# Altium PCB PCB.PcbDoc (part 1 of 3) (continued)
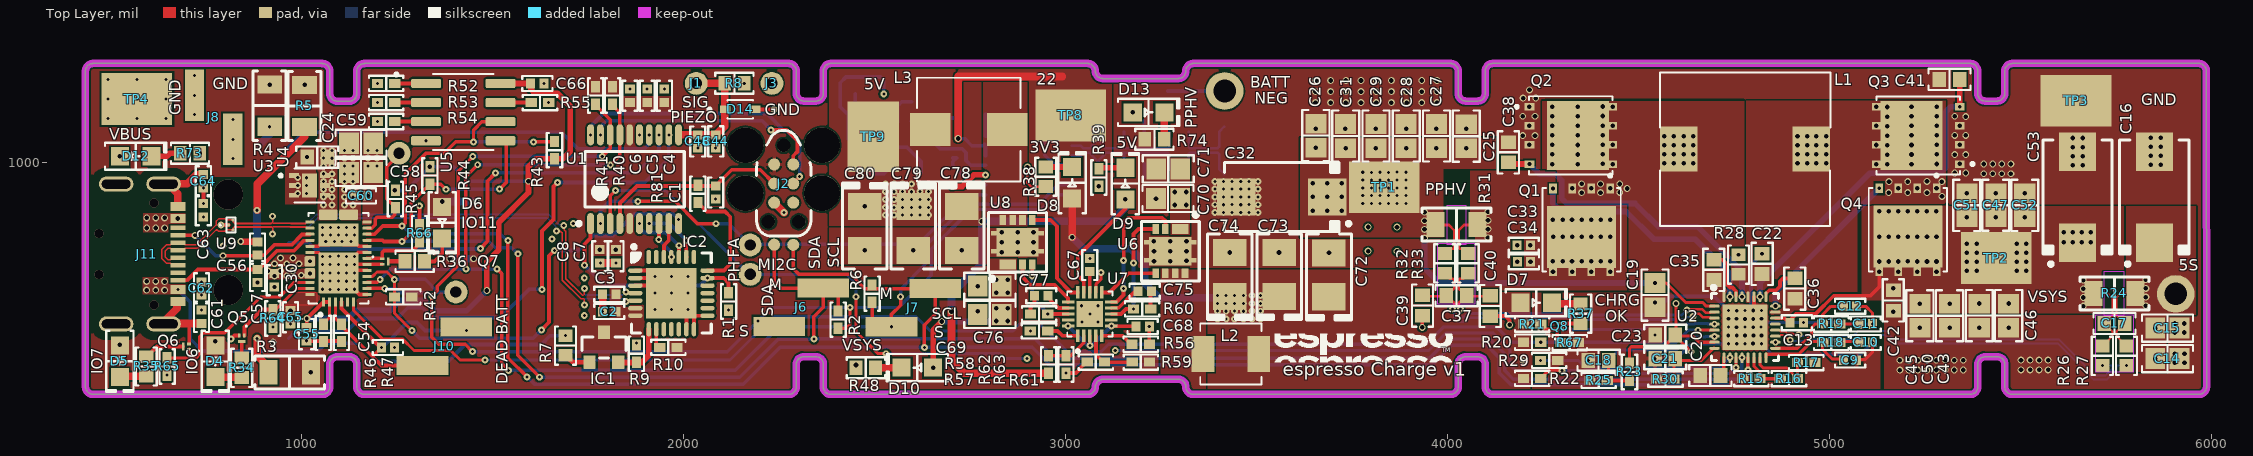
[diagram p0: Top Layer view]
## Components (designator, comment, footprint, x,y, rotation, side; value= is the part's Value field where it differs from the comment) (continued)
C67 "4.7 µF" "CAP 0402_1005" 3063.98,732.74 r270 top
C68 "4.7 µF" "CAP 0402_1005" 3202.26,571.83 r180 top
C69 "0.1 µF" "CAP 0402_1005" 2936.92,651.94 r180 top
C70 "22 µF" "CAP 0805_2012" 3268.7,906.5 r0 top
C71 "22 µF" "CAP 0805_2012" 3269.19,984.25 r0 top
C72 "100 µF" "CAP POL 1411_3528" 3689.88,707 r90 top
C73 "100 µF" "CAP POL 1411_3528" 3559.21,707.91 r90 top
C74 "100 µF" "CAP POL 1411_3528" 3430,707.91 r90 top
C75 "0.1 µF" "CAP 0402_1005" 3207.5,664.18 r0 top
C76 "22 µF" "CAP 0805_2012" 2802.24,603.35 r0 top
C77 "22 µF" "CAP 0805_2012" 2802.24,677.17 r0 top
C78 "100 µF" "CAP POL 1411_3528" 2729.33,828.51 r270 top
C79 "100 µF" "CAP POL 1411_3528" 2602.36,828.51 r270 top
C80 "100 µF" "CAP POL 1411_3528" 2475.39,828.51 r270 top
C81 "0.1 µF" "CAP 0603_1608" 3085,1032.23 r270 bottom
C82 "0.1 µF" "CAP 0402_1005" 2702,1063.72 r0 bottom
C83 "0.1 µF" "CAP 0603_1608" 3180,997.93 r180 bottom
C84 "0.1 µF" "CAP 0603_1608" 3180,1067.23 r180 bottom
C85 "3300 pF" "CAP 0402_1005" 2715,1134.38 r270 bottom
D1 "White" "LED 0805_2012" 926.06,540.87 r0 bottom
D2 "White" "LED 0805_2012" 926.06,1041.85 r0 bottom
D3 "White" "LED 0805_2012" 926.06,790.87 r0 bottom
D4 "White" "LED 0805_2012" 775.2,480.31 r270 top
D5 "White" "LED 0805_2012" 525.55,480.82 r270 top
D6 "White" "LED 0805_2012" 1369,843 r270 top
D7 "White" "LED 0805_2012" 4232.39,633.91 r0 top
D8 "White" "LED 0805_2012" 3017.72,947.83 r90 top
D9 "White" "LED 0805_2012" 3156.96,945.81 r90 top
D10 "White" "LED 0805_2012" 2612.69,464 r180 top
D12 "White" "LED 0805_2012" 566.89,1017.25 r0 top
D13 "White" "LED 0805_2012" 3217.73,1132.16 r0 top
D14 "BZT52B3V3S_R9" DIO_BZT52B3V3S_R9 2149,1140 r0 top
IC1 "DMN67D8L-7" "DIODES SOT-23-3" 1792.43,517.13 r90 top
IC2 "CP2102N-A02-GQFN28R" "SILICON LABS QFN-28 5x5MM" 1968.88,659.13 r0 top
J1 "Large Board Solder Point" "LARGE SOLDER POINT" 2034,1208 r0 top
J2 "ICD connector" TC2030-MCP 2262.8,945.76 r270 top
J3 "Large Board Solder Point" "LARGE SOLDER POINT" 2231.99,1208 r0 top
J6 "TSM-102-01-L-SV" TSM-102-01-L-SV 2309,622 r270 top
J7 "TSM-102-01-L-SV" TSM-102-01-L-SV 2602.36,621 r270 top
J8 "TSM-102-01-L-SV" TSM-102-01-L-SV 771,1119.09 r180 top
J10 "TSM-102-01-L-SV" TSM-102-01-L-SV 1375,520 r90 top
J11 "C2982481" GT-USB-7079A 614.2,761.45 r270 top
L1 "4.7uH" BMQADY1010404R7MA1 4779,1036 r0 top
L2 "74437324022" IND_74437324022 3433,500 r0 top value=2.2µH
L3 "744314330" IND_744314330 2747.05,1086.97 r180 top value=3.3µH
LP1 "LIGHT PIPE" "Dialight 515-1069F" 809.06,667.32 r270 bottom locked
Q1 "AONS36306" "DFN 5x6" 4351.18,824.61 r270 top
Q2 "AONS36306" "DFN 5x6" 4323.03,1071.85 r0 top
Q3 "AONS36306" "DFN 5x6" 5232.48,1071.8 r180 top
Q4 "AONS36306" "DFN 5x6" 5204.92,824.95 r270 top
Q5 "CSD15380F3T" TRXDFN69X60X35-3N 844.49,541.34 r270 top
Q6 "CSD15380F3T" TRXDFN69X60X35-3N 700,519 r180 top
Q7 "CSD15380F3T" TRXDFN69X60X35-3N 1219,742 r0 top
Q8 "CSD15380F3T" TRXDFN69X60X35-3N 4294.29,570.87 r90 top
Q9 "BSS84" SOT95P240X120-3N 2487.4,1136.69 r0 bottom
Q10 "2N7002" SOT95P240X111-3N 2663.6,975 r180 bottom
R1 "10 kOhms" "RES 0402_1005" 2118.61,637.05 r270 top
R2 "0 Ohms" "RES 0402_1005" 2405.18,589.74 r90 top
R3 "22 Ohms" "RES 1206_3216" 970.08,451.77 r0 top
R4 "22 Ohms" "RES 1206_3216" 917.58,1149.55 r90 top
R5 "22 Ohms" "RES 1206_3216" 1008.94,1149 r90 top
R6 "0 Ohms" "RES 0402_1005" 2494.38,657.6 r90 top
R7 "100 kOhms" "RES 0603_1608" 1691.81,521.81 r90 top
R8 "5 MOhms" "RES 0603_1608" 2134,1208.16 r180 top
R9 "2.2 kOhms" "RES 0402_1005" 1877.08,500.52 r270 top
R10 "1 kOhms" "RES 0402_1005" 1960.88,517.13 r180 top
R13 "10 mOhms" "RES 1210_3225" 3415.82,1032.85 r90 bottom
R14 "100 Ohms" "RES 0603_1608" 3297,997.93 r0 bottom
R15 "300 kOhms" "RES 0402_1005" 4795.28,435.04 r0 top
R16 "2 MOhms" "RES 0402_1005" 4893.7,435.04 r0 top
R17 "10 kOhms" "RES 0402_1005" 4938.98,477.35 r180 top
R18 "40.2 kOhms" "RES 0402_1005" 5004.53,530.1 r180 top
R19 "15 kOhms" "RES 0402_1005" 5004.33,578.28 r180 top
R20 "10 kOhms" "RES 0402_1005" 4221.46,530.51 r180 top
R21 "10 kOhms" "RES 0402_1005" 4221.46,577.76 r180 top
R22 "10 kOhms" "RES 0402_1005" 4221.46,436.02 r180 top
R23 "383 kOhms" "RES 0402_1005" 4476.38,452.76 r90 top
R24 "5 mOhms" "RES 1206_3216" 5745.57,658.46 r0 top
R25 "220 kOhms" "RES 0402_1005" 4395.76,430.45 r0 top
R26 "10 Ohms" "RES 0603_1608" 5714.07,495.08 r90 top
R27 "10 Ohms" "RES 0603_1608" 5777.06,495.08 r90 top
R28 "10 Ohms" "RES 0603_1608" 4761.87,733.83 r90 top
R29 "30.1 kOhms" "RES 0402_1005" 4266.18,483.27 r180 top
R30 "191 kOhms" "RES 0402_1005" 4570.46,434.13 r0 top
R31 "5 mOhms" "RES 1206_3216" 4023.62,838.3 r0 top
R32 "4.99 Ohms" "RES 0603_1608" 3993.11,736.92 r90 top
R33 "4.99 Ohms" "RES 0603_1608" 4054.13,736.92 r90 top
R34 "10 kOhms" "RES 0603_1608" 844.09,463.58 r270 top
R35 "10 kOhms" "RES 0603_1608" 594.45,467.07 r270 top
R36 "10 kOhms" "RES 0603_1608" 1297,742.13 r0 top
R37 "10 kOhms" "RES 0603_1608" 4348.43,605.32 r90 top
R38 "10 kOhms" "RES 0603_1608" 2948.82,963.58 r90 top
R39 "15 kOhms" "RES 0402_1005" 3087.6,961.61 r90 top
R40 "2.2 kOhms" "RES 0402_1005" 1814.96,1176.18 r90 top
R41 "2.2 kOhms" "RES 0402_1005" 1770.67,1176.18 r90 top
R42 "10 kOhms" "RES 0402_1005" 1267.02,649.17 r0 top
R43 "2.2 kOhms" "RES 0402_1005" 1663,1033.21 r270 top
R44 "2.2 kOhms" "RES 0402_1005" 1337,967 r90 top
R45 "10 kOhms" "RES 0402_1005" 1246.28,905.36 r90 top
R46 "100 kOhms" "RES 0402_1005" 1058,555 r90 top
R47 "100 kOhms" "RES 0402_1005" 1105.31,555 r90 top
R48 "22.1 kOhms" "RES 0603_1608" 2477.69,464 r0 top
R50 "100 Ohms" "RES 0603_1608" 3297,1067.23 r0 bottom
R52 "10 kOhms" "RES 0402_1005" 1222.44,1207.87 r180 top
R53 "10 kOhms" "RES 0402_1005" 1222.44,1157.48 r180 top
R54 "10 kOhms" "RES 0402_1005" 1222.44,1108.27 r180 top
R55 "10 kOhms" "RES 0402_1005" 1625,1157.48 r0 top
R56 "47.5 kOhms" "RES 0402_1005" 3197.26,525.27 r180 top
R57 "51.1 kOhms" "RES 0402_1005" 2931,560.31 r0 top
R58 "2.2 Ohms" "RES 0402_1005" 2931.3,604.88 r180 top
R59 "6.49 kOhms" "RES 0402_1005" 3197.49,478.22 r0 top
R60 "2.2 Ohms" "RES 0402_1005" 3201,617.83 r0 top
R61 "10 kOhms" "RES 0402_1005" 3079.72,478.22 r180 top
R62 "15.4 kOhms" "RES 0402_1005" 2956.09,472.37 r270 top
R63 "10 kOhms" "RES 0402_1005" 3001.09,472.36 r270 top
R64 "100 kOhms" "RES 0402_1005" 926,592.74 r90 top
R65 "100 kOhms" "RES 0402_1005" 649,467.07 r90 top
R66 "100 kOhms" "RES 0402_1005" 1310,815.94 r270 top
R67 "100 kOhms" "RES 0402_1005" 4320,529.7 r180 top
R73 "60.4 kOhms" "RES 0603_1608" 709,1025.13 r180 top
R74 "60.4 kOhms" "RES 0603_1608" 3233.15,1062 r0 top
R75 "100 kOhms" "RES 0402_1005" 2528,994.16 r0 bottom
R76 "165 kOhms" "RES 0402_1005" 2528,1040.84 r180 bottom
R77 "374 kOhms" "RES 0402_1005" 2597,1134.38 r90 bottom
R78 "16.5 kOhms" "RES 0603_1608" 2661,1134.38 r270 bottom
R79 "0 Ohms" "RES 0805_2012" 2911.54,1149 r0 bottom
R81 "100 Ohms" "RES 0402_1005" 2038,919 r90 top
TP1 "5016" KEYSTONE_5016 3834.45,935.83 r180 top
TP2 "5016" KEYSTONE_5016 5436.02,750.98 r0 top
TP3 "5016" KEYSTONE_5016 5645,1163 r180 top
TP4 "5016" KEYSTONE_5016 570,1167 r0 top
TP8 "5016" KEYSTONE_5016 3014,1124 r180 top
TP9 "5016" KEYSTONE_5016 2497.05,1068.6 r270 top
U1 "STM32F030F4P6" TSOP65P640X120-20N 1872.63,957.14 r90 top
U2 "BQ25731RSNR" QFN40P400X400X80_HS-33N 4778.54,569.88 r0 top
U3 "TPS25750DRJKR" IC_TPS25750DRJKR 1097.63,750.17 r90 top
U4 "TVS2200DRVR" SON65P200X200X80-7N 1021.65,940.95 r0 top
U5 "CAT24C256WI-G" SOIC127P600X175-8N 1424.21,1132.87 r0 top
U6 "CSD87330Q3D" Q3D 3274.61,769.06 r90 top
U7 "TPS51225RUKR" QFN40P300X300X80-21N 3063.98,604.33 r90 top
U8 "CSD87330Q3D" Q3D 2874.91,792.32 r270 top
U9 "ESD122DMXR" IC_ESD122DMXR 816,837.19 r0 top
U10 "BQ34Z100PW-G1" SOP65P640X120-14N 2904.18,993.67 r0 bottom

## Footprints (in the part's own frame and the unit in brackets; to place one, negate y for a bottom-side part, rotate by r counter-clockwise, add the part's x,y. Pads: shape width x height; smd on the part's side, far side on the other; paste and mask are expansions set on the pad)
BMQADY1010404R7MA1 [mm]
  rect 2.5x3 smd: 1(-4.4,0) 2(4.4,0)
  silkscreen extent -5.65,-5.1 5.68,5.1, body extent -5.65,-5.1 5.65,5.1, height 3.8
"CAP 0402_1005" [mm] "Chip Capacitor, 2-Leads, Body 1.02x0.51mm, IPC Medium Density"
  rect 0.6x0.64 smd: 1(-0.44,0) 2(0.44,0)
  silkscreen extent -1,-0.5 1,0.5, body extent -0.5,-0.26 0.5,0.26, height 0.52
"CAP 0603_1608" [mm] "Chip Capacitor, 2-Leads, Body 1.60x0.80mm, IPC Medium Density"
  rect 0.9x1 smd: 1(-0.675,0) 2(0.675,0)
  silkscreen extent -1.4,-0.7 1.4,0.7, body extent -0.8,-0.41 0.8,0.41, height 0.82
"CAP 0805_2012" [mm] "Chip Capacitor, 2-Leads, Body 2.00x1.20mm, IPC Medium Density"
  rect 1.3x1.4 smd: 1(-0.8,0) 2(0.8,0)
  silkscreen extent -1.7,-0.9 1.7,0.9, body extent -1,-0.64 1,0.64, height 1.26
"CAP POL 1411_3528" [mm] "Molded Capacitor, 2-Leads, Body 3.50x2.80mm, IPC Medium Density"
  rect 1.8x2.23 smd: 1(-1.46,0) 2(1.46,0)
  silkscreen extent -3,-1.5 2.71,1.48, body extent -1.87,-1.45 1.86,1.45, height 2
"CAP POL 2917_7343" [mm] "Molded Capacitor, 2-Leads, Body 7.30x4.30mm, IPC Medium Density"
  rect 2.55x2.45 smd: 1(-3.025,0) 2(3.025,0)
  silkscreen extent -4.57,-2.3 3.8,2.3, body extent -3.65,-2.15 3.65,2.15, height 4.1
"DFN 5x6" [mm]
  rect 4.12x4.6 smd paste-3: D(0.46,0)
  rect 0.55x0.5 smd: D(2.795,1.905) D(2.795,-0.635) D(2.795,0.635) D(2.795,-1.905)
  rect 0.65x0.5 smd: G(-2.755,-1.905) S(-2.755,1.905) S(-2.755,-0.635) S(-2.755,0.635)
  silkscreen extent -3.7,-2.6 2.78,2.6, body extent -3.02,-2.75 3.03,2.75, height 0.95
"Dialight 515-1069F" [mil]
  silkscreen extent -445,-172 195,344
DIO_BZT52B3V3S_R9 [mm]
  rect 0.7x0.5 smd: A(1,0) C(-1,0)
  silkscreen extent -2.15,-0.63 0.85,0.63, body extent -1.25,-0.63 1.25,0.63, height 1.1
"DIODES SOT-23-3" [mm] "SOT23, 3-Leads, Body 2.90x2.40mm, Pitch 0.95mm, IPC Medium Density"
  rect 0.9x0.8 smd: 1(-1,0.95) 2(-1,-0.95) 3(1,0)
  silkscreen extent -0.7,-1.45 0.7,1.45, body extent -1.41,-1.45 1.41,1.45, height 1.5
GT-USB-7079A [mm]
  rrect100% 1x2.3 hole 1.9 slot 0.6 at 0 deg: 13(-4.65,0.65) 13(4.65,0.65) 14(-4.65,-2.5) 14(4.65,-2.5)
  rect 0.6x1 smd: A1(-3.16,1.6) A4(-2.36,1.6) A9(2.36,1.6) A12(3.16,1.6)
  rect 0.3x1 smd: A5(-1.25,1.6) A6(-0.75,1.6) A7(0.25,1.6) A8(1.25,1.6) B5(1.75,1.6) B6(0.75,1.6) B7(-0.25,1.6) B8(-1.75,1.6)
  body extent -5,-6 5,2.65, height 3.7
IC_ESD122DMXR [mm]
  rrect50% 0.2x0.2 smd mask+0: 1(-0.15,0) 2(0.15,-0.34) 3(0.15,0.34)
  silkscreen extent -0.75,-0.5 0.3,0.5, body extent -0.5,-0.3 0.5,0.3, height 0.4
IC_TPS25750DRJKR [mm]
  rrect40% 0.6x0.2 smd mask+0: 1(-2.9,1) 2(-2.9,0.6) 3(-2.9,0.2) 4(-2.9,-0.2) 5(-2.9,-0.6) 6(-2.9,-1)
  rrect40% 0.2x0.6 smd mask+0: 7(-2.4,-1.9) 8(-2,-1.9) 9(-1.6,-1.9) 10(-1.2,-1.9) 11(-0.8,-1.9) 12(-0.4,-1.9) 13(0,-1.9) 14(0.4,-1.9) 15(0.8,-1.9) 16(1.2,-1.9) 17(1.6,-1.9) 18(2,-1.9) 19(2.4,-1.9) 26(2.4,1.9) 27(2,1.9) 28(1.6,1.9) 29(1.2,1.9) 30(0.8,1.9) 31(0.4,1.9) 36(-1.6,1.9) 37(-2,1.9) 38(-2.4,1.9)
  rrect25% 0.7x1.253 smd paste-2 mask+0: 20_22(2.9,-0.677) 23_25(2.9,0.677)
  rrect25% 0.7x0.7 smd paste-1 mask+0: 32_33(-0.2,1.9) 34_35(-1,1.9)
  round 0.4 hole 0.2 mask+0: 39(-2.075,0) 39(-0.965,-1.075) 39(-0.965,0) 39(-0.965,1.075) 39(0.145,0) 40(1.56,-1.075) 40(1.56,0) 40(1.56,1.075)
  rrect5% 2.72x2.65 smd paste-2: 39(-0.965,0)
  rrect5% 1.53x2.65 smd paste-2: 40(1.56,0)
  silkscreen extent -3.85,-2 3,2
IND_744314330 [mm]
  rect 2.7x2.2 smd: 1(-2.55,0) 2(2.55,0)
  silkscreen extent -3.45,-3.45 3.45,3.45, body extent -3.45,-3.5 3.45,3.5, height 4.9
IND_74437324022 [mm]
  rect 1.5x2.4 smd: 1(-1.85,0) 2(1.85,0)
  silkscreen extent -2.03,-2.03 2.03,2.03
KEYSTONE_5016 [mm]
  rect 4.7x3.43 smd: TP(0,0)
  body extent -1.91,-1.42 1.91,1.42, height 2.29
"LARGE SOLDER POINT" [mil]
  round 60 hole 30: 1(0,0)
"LED 0805_2012" [mm] "Chip Diode, 2-Leads, Body 2.00x1.25mm, IPC Medium Density"
  rect 1.2x1.2 smd: 1(-1.05,0) 2(1.05,0)
  silkscreen extent -2.03,-0.9 2.03,0.9, body extent -1,-0.63 1,0.63, height 0.9
Q3D [mm] "Q3D"
  rect 0.65x1.09 smd mask+0.05: 1(1.475,-0.65)
  rect 0.65x0.44 smd mask+0.05: 3(1.475,0.325) 4(1.475,0.975) 5(-1.475,0.975) 6(-1.475,0.325) 7(-1.475,-0.325) 8(-1.475,-0.975)
  rect 0.3x0.35 smd mask+0.05: 9(-0.6,1.575) 9(-0.6,-1.575) 9(0.6,1.575) 9(0.6,-1.575)
  rect 1.9x2.8 smd paste-1 mask+0.05: 9(0,0)
  silkscreen extent -1.97,-1.92 2.45,1.92, body extent -1.7,-1.7 1.7,1.7, height 1.5
QFN40P300X300X80-21N [mm]
  rrect25% 0.83x0.22 smd: 1(-1.44,0.8) 2(-1.44,0.4) 3(-1.44,0) 4(-1.44,-0.4) 5(-1.44,-0.8) 11(1.44,-0.8) 12(1.44,-0.4) 13(1.44,0) 14(1.44,0.4) 15(1.44,0.8)
  rrect25% 0.22x0.83 smd: 6(-0.8,-1.44) 7(-0.4,-1.44) 8(0,-1.44) 9(0.4,-1.44) 10(0.8,-1.44) 16(0.8,1.44) 17(0.4,1.44) 18(0,1.44) 19(-0.4,1.44) 20(-0.8,1.44)
  rect 1.75x1.75 smd paste-0.325: 21(0,0)
  silkscreen extent -2.57,-1.5 1.5,1.5, body extent -1.5,-1.5 1.5,1.5, height 0.8
QFN40P400X400X80_HS-33N [mm] "QFN, 32-Leads, Body 4.00x4.00mm, Pitch 0.40mm, Thermal Pad 3.00x3.00mm, IPC Medium Density"
  oval 0.7x0.2 smd mask+0.05: 1(-2.025,1.4) 2(-2.025,1) 3(-2.025,0.6) 4(-2.025,0.2) 5(-2.025,-0.2) 6(-2.025,-0.6) 7(-2.025,-1) 8(-2.025,-1.4) 17(2.025,-1.4) 18(2.025,-1) 19(2.025,-0.6) 20(2.025,-0.2) 21(2.025,0.2) 22(2.025,0.6) 23(2.025,1) 24(2.025,1.4)
  oval 0.2x0.7 smd mask+0.05: 9(-1.4,-2.025) 10(-1,-2.025) 11(-0.6,-2.025) 12(-0.2,-2.025) 13(0.2,-2.025) 14(0.6,-2.025) 15(1,-2.025) 16(1.4,-2.025) 25(1.4,2.025) 26(1,2.025) 27(0.6,2.025) 28(0.2,2.025) 29(-0.2,2.025) 30(-0.6,2.025) 31(-1,2.025) 32(-1.4,2.025)
  round 0.457 hole 0.203: 33(-1.1,-1.1) 33(-1.1,0) 33(-1.1,1.1) 33(0,-1.1) 33(0,1.1) 33(1.075,0) 33(1.1,-1.1) 33(1.1,1.1)
  rect 3x3 smd mask+0.05: 33(0,0)
  silkscreen extent -2.22,-2.22 2.22,2.76, body extent -2.07,-2.07 2.07,2.07, height 0.8
"RES 0402_1005" [mm] "Chip Resistor, 2-Leads, Body 1.0x0.5mm, IPC Medium Density"
  rect 0.75x0.6 smd: 1(-0.575,0) 2(0.575,0)
  silkscreen extent -1.14,-0.51 1.14,0.51, body extent -0.5,-0.25 0.5,0.25, height 0.35
"RES 0603_1608" [mm] "Chip Resistor, 2-Leads, Body 1.60x0.80mm, IPC Medium Density"
  rect 0.85x0.95 smd: 1(-0.65,0) 2(0.65,0)
  silkscreen extent -1.27,-0.7 1.27,0.7, body extent -0.8,-0.4 0.8,0.4, height 0.45
"RES 0805_2012" [mm] "Chip Resistor, 2-Leads, Body 2.00x1.25mm, IPC Medium Density"
  rect 1.15x1.35 smd: 1(-0.875,0) 2(0.875,0)
  silkscreen extent -1.7,-0.9 1.7,0.9, body extent -1,-0.62 1,0.63, height 0.6
"RES 1206_3216" [mm] "Chip Resistor, 2-Leads, Body 3.13x1.55mm, IPC Medium Density"
  rect 1.2x1.65 smd: 1(-1.4,0) 2(1.4,0)
  silkscreen extent -2.3,-1.1 2.3,1.1, body extent -1.6,-0.8 1.6,0.8, height 0.6
"RES 1210_3225" [mm] "Chip Resistor, 2-Leads, Body 3.1x2.6mm, IPC Medium Density"
  rect 1.15x2.5 smd: 1(-1.575,0) 2(1.575,0)
  silkscreen extent -2.4,-1.5 2.4,1.5, body extent -1.6,-1.25 1.6,1.25, height 0.7
"SILICON LABS QFN-28 5x5MM" [mm] "QFN, 28-Leads, Body 5.00x5.00mm, Pitch 0.50mm, Thermal Pad 3.35x3.35mm, IPC Medium Density"
  oval 0.95x0.3 smd: 1(-2.4,1.5) 2(-2.4,1) 3(-2.4,0.5) 4(-2.4,0) 5(-2.4,-0.5) 6(-2.4,-1) 7(-2.4,-1.5) 15(2.4,-1.5) 16(2.4,-1) 17(2.4,-0.5) 18(2.4,0) 19(2.4,0.5) 20(2.4,1) 21(2.4,1.5)
  oval 0.3x0.95 smd: 8(-1.5,-2.4) 9(-1,-2.4) 10(-0.5,-2.4) 11(0,-2.4) 12(0.5,-2.4) 13(1,-2.4) 14(1.5,-2.4) 22(1.5,2.4) 23(1,2.4) 24(0.5,2.4) 25(0,2.4) 26(-0.5,2.4) 27(-1,2.4) 28(-1.5,2.4)
  rect 3.35x3.35 smd: 29(0,0)
  silkscreen extent -2.65,-2.65 2.65,3.2, body extent -2.51,-2.51 2.51,2.51, height 0.8
SOIC127P600X175-8N [mm]
  rrect25% 1.97x0.6 smd: 1(-2.475,1.905) 2(-2.475,0.635) 3(-2.475,-0.635) 4(-2.475,-1.905) 5(2.475,-1.905) 6(2.475,-0.635) 7(2.475,0.635) 8(2.475,1.905)
  silkscreen extent -4.54,-2.52 2,2.6, body extent -3,-2.45 3,2.45, height 1.75
SON65P200X200X80-7N [mm]
  rect 0.66x0.32 smd: 1(-1.025,0.65) 2(-1.025,0) 3(-1.025,-0.65) 4(1.025,-0.65) 5(1.025,0) 6(1.025,0.65)
  rect 1x1.6 smd paste-2: 7(0,0)
  silkscreen extent -2.01,-1.13 1,1.13, body extent -1,-1 1,1, height 0.72
SOP65P640X120-14N [mm]
  rrect25% 1.57x0.41 smd: 1(-2.87,1.95) 2(-2.87,1.3) 3(-2.87,0.65) 4(-2.87,0) 5(-2.87,-0.65) 6(-2.87,-1.3) 7(-2.87,-1.95) 8(2.87,-1.95) 9(2.87,-1.3) 10(2.87,-0.65) 11(2.87,0) 12(2.87,0.65) 13(2.87,1.3) 14(2.87,1.95)
  silkscreen extent -4.34,-2.5 2.2,2.5, body extent -3.2,-2.5 3.2,2.5, height 1.2
SOT95P240X111-3N [mm]
  rrect25% 1.23x0.6 smd: 1(-1.06,0.95) 2(-1.06,-0.95) 3(1.06,0)
  silkscreen extent -2.6,-1.46 0.65,1.46, body extent -1.2,-1.45 1.2,1.45, height 1.11
SOT95P240X120-3N [mm]
  rect 1x1.4 smd: 1(-0.95,-1.1) 2(0.95,-1.1) 3(0,1.1)
  silkscreen extent -1.9,-1.9 1.45,0.65, body extent -1.45,-1.25 1.45,1.25, height 1.1
TC2030-MCP [mm] "Conector ICD en placa"
  round 0.8 smd paste-0.4: 1(-1.27,-0.635) 2(-1.27,0.635) 3(0,-0.635) 4(0,0.635) 5(1.27,-0.635) 6(1.27,0.635)
  round 2.375 hole 2.375 unplated mask+0: ""(-2.54,2.54) ""(-2.54,-2.54) ""(0.635,2.54) ""(0.635,-2.54)
  round 0.85 hole 0.9 unplated mask+0: ""(-2.54,0) ""(2.54,1.016) ""(2.54,-1.016)
  silkscreen extent -3.54,-1.8 3.5,1.8, body extent -3.54,-1.8 3.5,1.8
TRXDFN69X60X35-3N [mm]
  rect 0.27x0.17 smd mask+0.05: 1(-0.175,0.175) 2(-0.175,-0.175)
  rect 0.17x0.52 smd mask+0.05: 3(0.225,0)
  silkscreen extent -0.85,0.25 -0.75,0.35, body extent -0.35,-0.3 0.35,0.3, height 0.35
TSM-102-01-L-SV [mm]
  rect 1.27x3.43 smd mask+0.051: 1(-1.27,1.46) 2(1.27,-1.46)
TSOP65P640X120-20N [mm] "TSOP, 20-Leads, Body 6.50x4.40mm, Pitch 0.65mm, IPC Medium Density"
  oval 1.4x0.45 smd mask+0.05: 1(-2.95,2.925) 2(-2.95,2.275) 3(-2.95,1.625) 4(-2.95,0.975) 5(-2.95,0.325) 6(-2.95,-0.325) 7(-2.95,-0.975) 8(-2.95,-1.625) 9(-2.95,-2.275) 10(-2.95,-2.925) 11(2.95,-2.925) 12(2.95,-2.275) 13(2.95,-1.625) 14(2.95,-0.975) 15(2.95,-0.325) 16(2.95,0.325) 17(2.95,0.975) 18(2.95,1.625) 19(2.95,2.275) 20(2.95,2.925)
  silkscreen extent -3.07,-3.3 1.85,3.82, body extent -2.25,-3.3 2.25,3.3, height 1.2

## Part data
C1 C3 C5 C6 C82: library part LMK105BJ104MC-F, "CAP CER 0.1UF 10V X5R 0402", Device Package="0402 (1005 Metric)", manufacturer="Taiyo Yuden", Operating Temperature="-55°C ~ 85°C", Supplier Part Number 1=587-4572-1-ND, Temperature Coefficient=X5R, Tolerance=±20%, Voltage - Rated=10V, Applications="SMPS Filtering", Capacitance="0.1 µF", componentlink1description=Datasheet, componentlink1url=https://www.yuden.co.jp/productdata/catalog/mlcc01_e.pdf, componentlink2description="DigiKey Link", componentlink2url=https://www.digikey.com/en/products/detail/taiyo-yuden/LMK105BJ104MC-F/6035743, lastupdated="9/08/2022 12:01:16 PM", Lifecycle Status=Active, Minimum Order=1, Mounting Type="Surface Mount, MLCC", Package / Case="0402 (1005 Metric)", packaging=TapeAndReel, partid=2414, Part Number=LMK105BJ104MC-F, Part Status=Active, price=0.03, series=M, Size / Dimension="0.039\" L x 0.020\" W (1.00mm x 0.50mm)", Supplier 1=DigiKey, Thickness (Max)="0.009\" (0.22mm)"
C2 C4: library part CL05A475KP5NRNC, "CAP CER 4.7UF 10V X5R 0402", Device Package="0402 (1005 Metric)", manufacturer="Samsung Electro-Mechanics", Operating Temperature="-55°C ~ 85°C", Supplier Part Number 1=1276-1480-1-ND, Temperature Coefficient=X5R, Tolerance=±10%, Voltage - Rated=10V, Applications="General Purpose", Capacitance="4.7 µF", componentlink1description=Datasheet, componentlink1url=http://www.samsungsem.com/kr/support/product-search/mlcc/CL05A475KP5NRNC.jsp, componentlink2description="DigiKey Link", componentlink2url=https://www.digikey.com/en/products/detail/samsung-electro-mechanics/CL05A475KP5NRNC/3887138, lastupdated="9/08/2022 12:01:16 PM", Lifecycle Status=Active, Minimum Order=1, Mounting Type="Surface Mount, MLCC", Package / Case="0402 (1005 Metric)", packaging=TapeAndReel, partid=2191, Part Number=CL05A475KP5NRNC, Part Status=Active, price=0.04, series=CL, Size / Dimension="0.039\" L x 0.020\" W (1.00mm x 0.50mm)", Supplier 1=DigiKey, Thickness (Max)="0.022\" (0.55mm)"
C7 C49: library part LMK105BJ105KPLF, "CAP CER 1UF 10V X5R 0402", Device Package="0402 (1005 Metric)", manufacturer="Taiyo Yuden", Operating Temperature="-55°C ~ 85°C", Supplier Part Number 1=587-6274-1-ND, Temperature Coefficient=X5R, Tolerance=±10%, Voltage - Rated=10V, Applications="SMPS Filtering", Capacitance="1 µF", componentlink1description=Datasheet, componentlink1url="https://ds.yuden.co.jp/TYCOMPAS/ut/detail?pn=LMK105BJ105KPLF &u=M", componentlink2description="DigiKey Link", componentlink2url=https://www.digikey.com/en/products/detail/taiyo-yuden/LMK105BJ105KPLF/7403744, lastupdated="9/08/2022 12:01:16 PM", Lifecycle Status=Active, Minimum Order=1, Mounting Type="Surface Mount, MLCC", Package / Case="0402 (1005 Metric)", packaging=TapeAndReel, partid=2328, Part Number=LMK105BJ105KPLF, Part Status=Active, price=0.02, series=M, Size / Dimension="0.039\" L x 0.020\" W (1.00mm x 0.50mm)", Supplier 1=DigiKey, Thickness (Max)="0.026\" (0.65mm)"
C8: library part LMF105B7103KVHF, "CAP, MLCC, 0402/1005, 10V, X7R,", Device Package="0402 (1005 Metric)", manufacturer="Taiyo Yuden", Operating Temperature="-55°C ~ 125°C", Ratings=AEC-Q200, Supplier Part Number 1=587-6579-1-ND, Temperature Coefficient=X7R, Tolerance=±10%, Voltage - Rated=10V, Applications="Automotive, SMPS Filtering", Capacitance="10000 pF", componentlink1description=Datasheet, componentlink1url=https://ds.yuden.co.jp/TYCOMPAS/ut/detail?pn=LMF105B7103KVHF&u=M, componentlink2description="DigiKey Link", componentlink2url=https://www.digikey.com/en/products/detail/taiyo-yuden/LMF105B7103KVHF/10379145, lastupdated="9/08/2022 12:01:17 PM", Lifecycle Status=Active, Minimum Order=1, Mounting Type="Surface Mount, MLCC", Package / Case="0402 (1005 Metric)", packaging=TapeAndReel, partid=1869, Part Number=LMF105B7103KVHF, Part Status=Active, price=0.01, series=M, Size / Dimension="0.039\" L x 0.020\" W (1.00mm x 0.50mm)", Supplier 1=DigiKey, Thickness (Max)="0.022\" (0.55mm)"
C9: library part UMK105CH330JVHF, "CAP CER 33PF 50V CH 0402", Device Package="0402 (1005 Metric)", manufacturer="Taiyo Yuden", Ratings=AEC-Q200, Supplier Part Number 1=587-5079-1-ND, Temperature Coefficient=CH, Tolerance=±5%, Voltage - Rated=50V, Applications=Automotive, Capacitance="33 pF", componentlink2description="DigiKey Link", componentlink2url=https://www.digikey.com/en/products/detail/taiyo-yuden/UMK105CH330JVHF/6563672, lastupdated="14/08/2022 9:05:56 PM", Lifecycle Status=Active, Minimum Order=1, Mounting Type="Surface Mount, MLCC", Package / Case="0402 (1005 Metric)", packaging=TapeAndReel, partid=1883, Part Number=UMK105CH330JVHF, Part Status=Active, price=0.01, series=M, Size / Dimension="0.039\" L x 0.020\" W (1.00mm x 0.50mm)", Supplier 1=DigiKey
C10 C44 C48: library part 0402B472J500CT, "CAP CER 4700PF 50V X7R 0402", Device Package="0402 (1005 Metric)", manufacturer="Walsin Technology Corporation", Operating Temperature="-55°C ~ 125°C", Supplier Part Number 1=1292-1210-1-ND, Temperature Coefficient=X7R, Tolerance=±5%, Voltage - Rated=50V, Applications="General Purpose", Capacitance="4700 pF", componentlink1description=Datasheet, componentlink1url=http://www.passivecomponent.com/wp-content/uploads/2018/10/MLCC.pdf, componentlink2description="DigiKey Link", componentlink2url=https://www.digikey.com/en/products/detail/walsin-technology-corporation/0402B472J500CT/9354708, Lifecycle Status=Active, Minimum Order=1, Mounting Type="Surface Mount, MLCC", Package / Case="0402 (1005 Metric)", packaging=TapeAndReel, partid=1879, Part Number=0402B472J500CT, Part Status=Active, price=0.01, series=-, Size / Dimension="0.039\" L x 0.020\" W (1.00mm x 0.50mm)", Supplier 1=DigiKey, Thickness (Max)="0.022\" (0.55mm)"
  C10: lastupdated="14/08/2022 9:05:56 PM"
  C44 C48: lastupdated="11/05/2023 7:06:21 PM"
C11: library part C1005NP01H681J050BA, "CAP CER 680PF 50V NP0 0402", Device Package="0402 (1005 Metric)", manufacturer="TDK Corporation", Operating Temperature="-55°C ~ 150°C", Supplier Part Number 1=445-13809-1-ND, Temperature Coefficient="C0G, NP0", Tolerance=±5%, Voltage - Rated=50V, Applications="General Purpose", Capacitance="680 pF", componentlink1description=Datasheet, componentlink1url=https://product.tdk.com/info/en/catalog/datasheets/mlcc_commercial_hightemp_en.pdf?ref_disty=digikey, componentlink2description="DigiKey Link", componentlink2url=https://www.digikey.com/en/products/detail/tdk-corporation/C1005NP01H681J050BA/3951045, Features="High Temperature", lastupdated="14/08/2022 9:05:57 PM", Lifecycle Status=Active, Minimum Order=1, Mounting Type="Surface Mount, MLCC", Package / Case="0402 (1005 Metric)", packaging=TapeAndReel, partid=1790, Part Number=C1005NP01H681J050BA, Part Status=Active, price=0.02, series=C, Size / Dimension="0.039\" L x 0.020\" W (1.00mm x 0.50mm)", Supplier 1=DigiKey, Thickness (Max)="0.022\" (0.55mm)"
C12: library part CBR04C150J5GAC, "CAP CER 15PF 50V C0G/NP0 0402", Device Package="0402 (1005 Metric)", manufacturer=KEMET, Operating Temperature="-55°C ~ 125°C", Supplier Part Number 1=399-6170-1-ND, Temperature Coefficient="C0G, NP0", Tolerance=±5%, Voltage - Rated=50V, Applications="RF, Microwave, High Frequency", Capacitance="15 pF", componentlink1description=Datasheet, componentlink1url=https://api.kemet.com/component-edge/download/datasheet/CBR04C150J5GAC.pdf, componentlink2description="DigiKey Link", componentlink2url=https://www.digikey.com/en/products/detail/kemet/CBR04C150J5GAC/2732287, Features="High Q, Low Loss, Ultra Low ESR", lastupdated="14/08/2022 9:05:58 PM", Lifecycle Status=Active, Minimum Order=1, Mounting Type="Surface Mount, MLCC", Package / Case="0402 (1005 Metric)", packaging=TapeAndReel, partid=1728, Part Number=CBR04C150J5GAC, Part Status=Active, price=0.02, series="CBR-SMD RF C0G", Size / Dimension="0.039\" L x 0.020\" W (1.00mm x 0.50mm)", Supplier 1=DigiKey, Thickness (Max)="0.022\" (0.55mm)"